# Altium PCB iMX6 Rex_V1I1_PCB.PcbDoc (part 2 of 8) (continued)
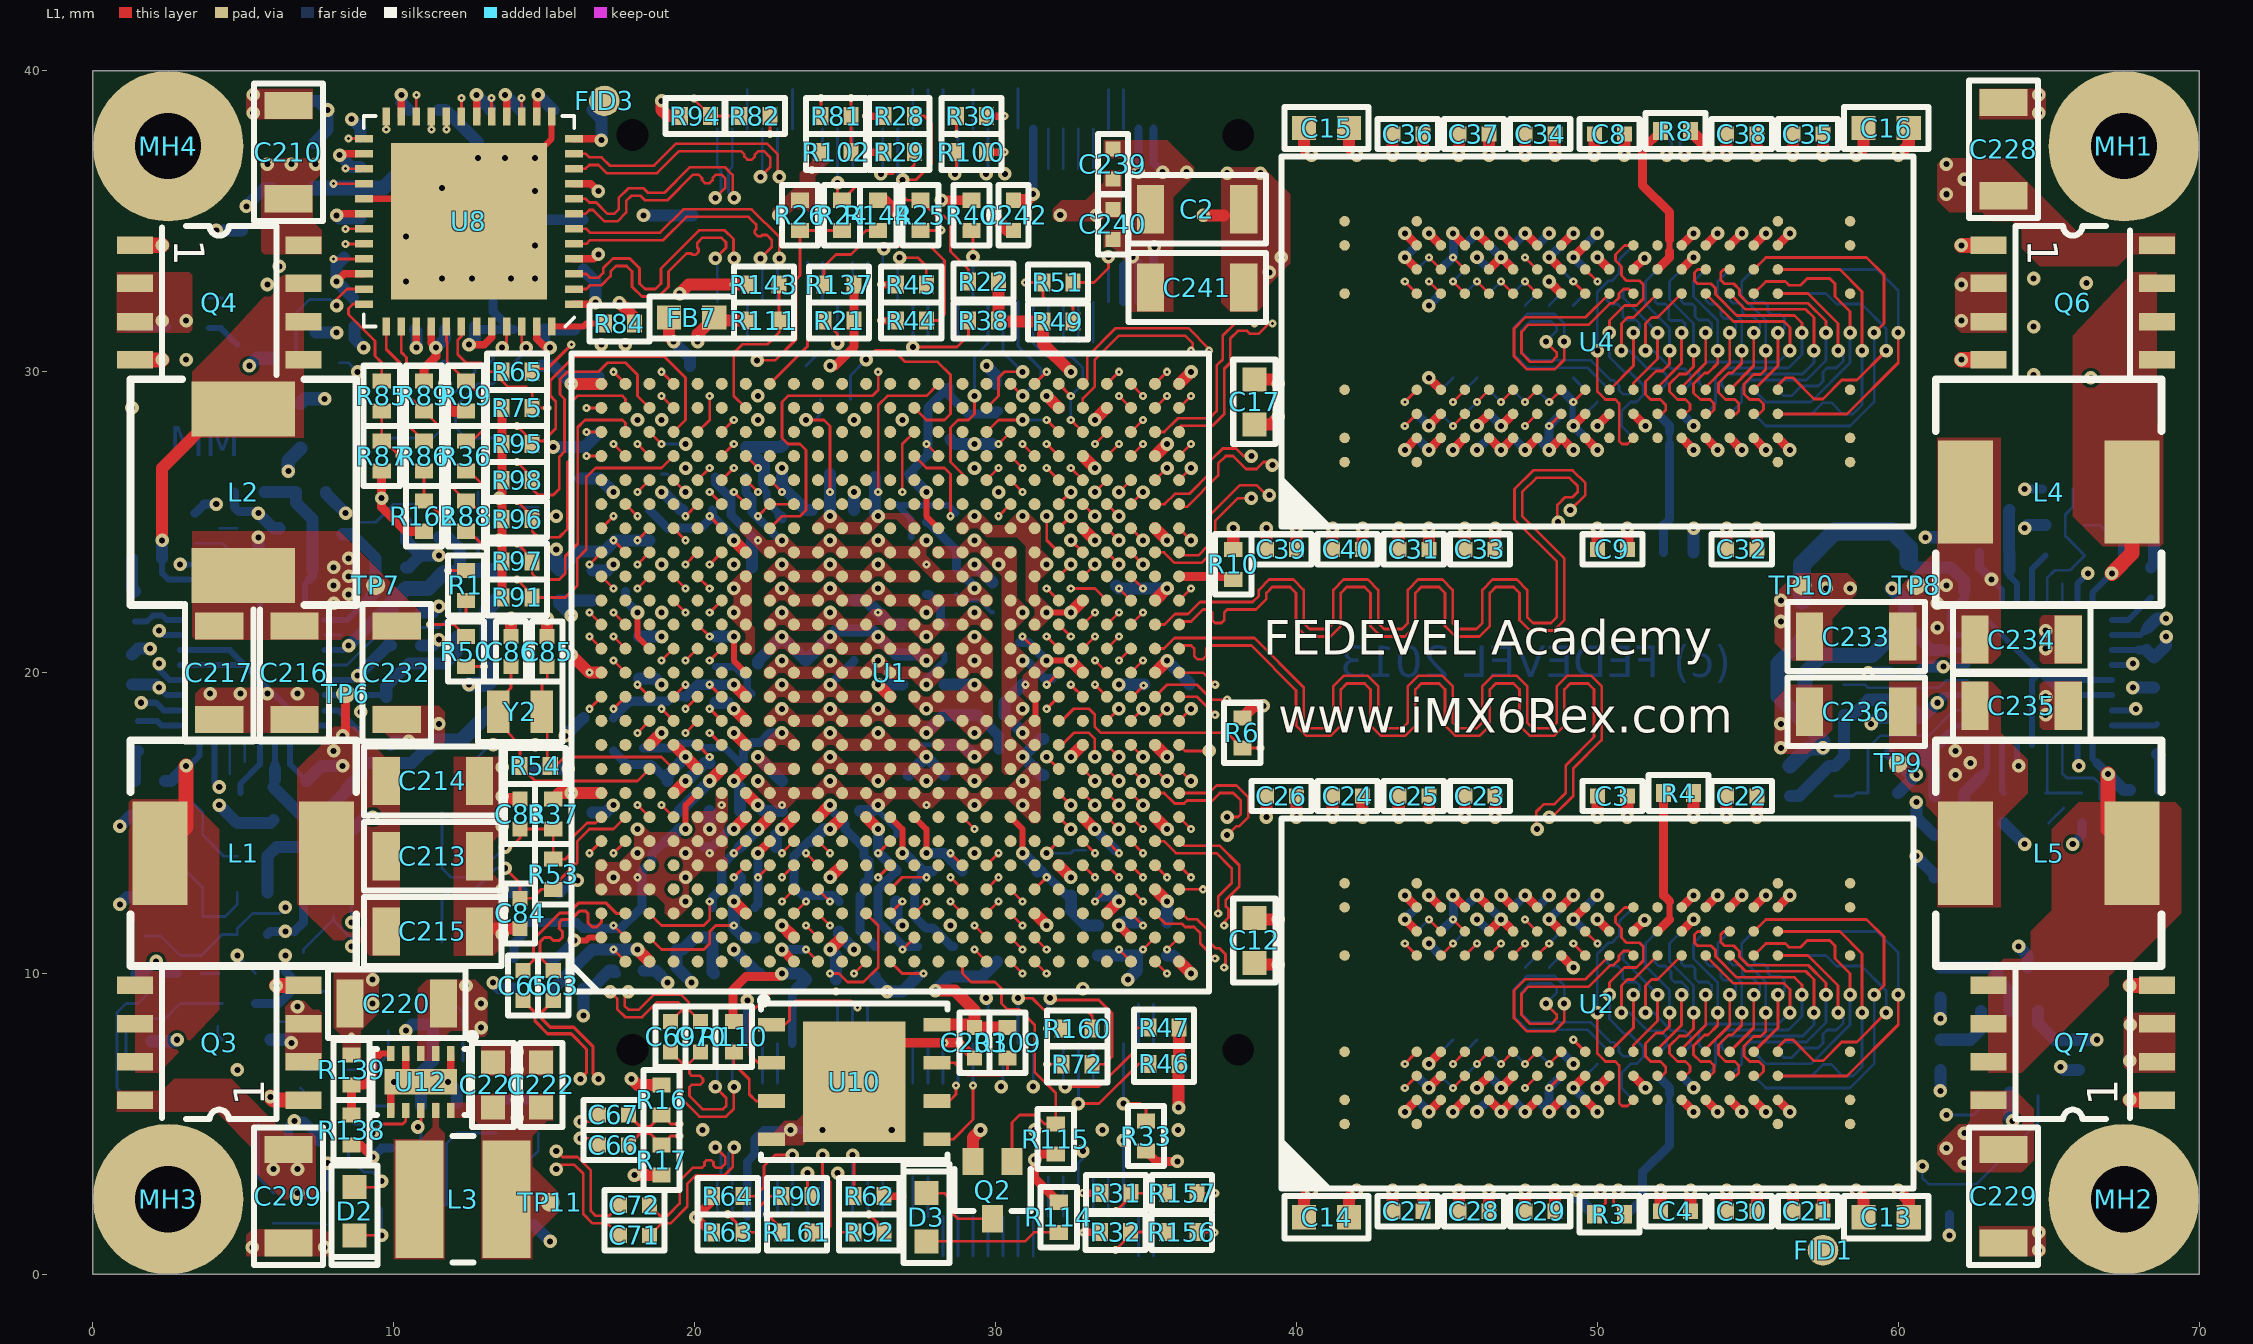
[diagram p0: L1 view]
## Nets (pads, with @x,y where several pads share a name; then routed paths per layer and width w, separated by ;. In a path a pad name is that pad's centre, name@x,y a point inside that pad or via, vN(x,y) a via of type N, cw(c..) or ccw(c..) an arc to the next point about the centre after c; other vN are vias at no path point) (continued)
  L12 w0.2: v1(27.7,19.6) 27.7,19.799 28.3,20.399 C97.1@28.3,20.6
  L12 w0.25: C98.1@20.7,20.2 21.336,20.2 21.75,19.786 21.75,19.45 C103.1@21.9,19.3
  L12 w0.35: C102.1@29.3,18.6 29.407,18.6 30.1,17.907 C106.1@30.1,17.45
  L12 w0.4: C101.1@18.15,19.8 18.7,19.8 v1(18.9,19.6) ; v1(27.7,18) C105.1@28.3,18.6 C102.1@29.3,18.6
  other v1: 22.9,18.8 24.5,18.8 26.1,18.8 22.9,20.4 24.5,20.4 26.1,20.4
+1V5_DDR: C12.1 C13.1 C14.1 C15.1 C16.1 C17.1 C18.1 C19.1 C21.1 C22.1 C23.1 C24.1 C25.1 C26.1 C27.1 C28.1 C29.1 C30.1 C31.1 C32.1 C33.1 C34.1 C35.1 C36.1 C37.1 C38.1 C39.1 C40.1 C41.1 C42.1 C43.1 C44.1 C45.1 C46.1 C47.1 C48.1 C49.1 C50.1 C51.1 C52.1 C53.1 C54.1 C55.1 C56.1 C57.1 C58.1 C59.1 C60.1 C157.1 C158.1 C159.1 C160.1 C161.1 C162.1 C167.1 C168.1 C169.1 C170.1 C171.1 C172.1 C173.1 C235.1 C236.1 L5.2 R11.2 R59.2 TP9.1 U1.R18 U1.T18 U1.U18 U1.V9 U1.V10 U1.V11 U1.V12 U1.V13 U1.V14 U1.V15 U1.V16 U1.V17 U1.V18 U2.A1 U2.A8 U2.B2 U2.C1 U2.C9 U2.D2 U2.D9 U2.E9 U2.F1 U2.G7 U2.H2 U2.H9 U2.K2 U2.K8 U2.N1 U2.N9 U2.R1 U2.R9 U3.A1 U3.A8 U3.B2 U3.C1 U3.C9 U3.D2 U3.D9 U3.E9 U3.F1 U3.G7 U3.H2 U3.H9 U3.K2 U3.K8 U3.N1 U3.N9 U3.R1 U3.R9 U4.A1 U4.A8 U4.B2 U4.C1 U4.C9 U4.D2 U4.D9 U4.E9 U4.F1 U4.G7 U4.H2 U4.H9 U4.K2 U4.K8 U4.N1 U4.N9 U4.R1 U4.R9 U5.A1 U5.A8 U5.B2 U5.C1 U5.C9 U5.D2 U5.D9 U5.E9 U5.F1 U5.G7 U5.H2 U5.H9 U5.K2 U5.K8 U5.N1 U5.N9 U5.R1 U5.R9 U13.30 | length 83
  L1 w0.3: v1(43.6,5.4) U2.A1@44,5.8 ; v1(43.6,11.8) U2.A8@44,11.4 ; v1(43.6,33.8) U4.A8@44,33.4 ; v1@43.625,27.425 U4.A1@44,27.8 ; v1(44.4,6.2) U2.B2@44.8,6.6 ; v1(44.4,28.2) U4.B2@44.8,28.6 ; v1(45.2,5.4) U2.C1@45.6,5.8 ; v1(45.2,12.6) U2.C9@45.6,12.2 ; v1(45.2,27.4) U4.C1@45.6,27.8 ; v1(45.2,34.6) U4.C9@45.6,34.2 ; v1(46,6.2) U2.D2@46.4,6.6 ; v1(46,12.6) U2.D9@46.4,12.2 ; v1(46,28.2) U4.D2@46.4,28.6 ; v1(46,34.6) U4.D9@46.4,34.2 ; v1(46.8,12.6) U2.E9@47.2,12.2 ; v1(46.8,34.6) U4.E9@47.2,34.2 ; v1(47.6,5.4) U2.F1@48,5.8 ; v1(47.6,27.4) U4.F1@48,27.8 ; v1(48.4,33) U4.G7@48.8,32.6 ; U2.G7@48.8,10.6 v1(49.2,10.2) ; v1(49.2,6.2) U2.H2@49.6,6.6 ; v1(49.2,11.8) U2.H9@49.6,12.2 ; v1(49.2,28.2) U4.H2@49.6,28.6 ; v1(49.2,33.8) U4.H9@49.6,34.2 ; U2.K2@51.2,6.6 v1(51.6,6.2) ; U2.K8@51.2,11.4 v1(51.573,11.773) ; U4.K2@51.2,28.6 v1(51.6,28.2) ; U4.K8@51.2,33.4 v1(51.573,33.773) ; U2.N1@53.6,5.8 v1(54,5.4) ; U2.N9@53.6,12.2 v1(54,12.6) ; U4.N1@53.6,27.8 v1(54,27.4) ; U4.N9@53.6,34.2 v1(54,34.6) ; U2.R1@55.2,5.8 v1(55.6,5.4) ; U2.R9@55.2,12.2 v1(55.6,12.6) ; U4.R1@55.2,27.8 v1(55.6,27.4) ; U4.R9@55.2,34.2 v1(55.6,34.6)
  L1 w0.4: C12.1@38.6,11.85 38.65,11.8 v1(39.4,11.8) ; C17.1@38.6,28.25 39.15,28.25 v1(39.4,28.5) ; v1(40,15.2) C26.1@40,15.9 ; C39.1@40,24.1 v1(40,24.8) ; C14.1@41.75,1.9 41.75,2.55 v1(42,2.8) ; C15.1@41.75,38.1 41.75,37.45 v1(42,37.2) ; v1(42.2,15.2) C24.1@42.2,15.9 ; C40.1@42.2,24.1 v1(42.2,24.8) ; C27.1@43.2,2.1 v1(43.2,2.8) ; v1(44.2,37.2) C36.1@44.2,37.9 ; v1(44.4,15.2) C25.1@44.4,15.9 ; C31.1@44.4,24.1 v1(44.4,24.8) ; C28.1@46.4,2.1 v1(46.4,2.8) ; v1(46.4,37.2) C37.1@46.4,37.9 ; v1(46.6,15.2) C23.1@46.6,15.9 ; C33.1@46.6,24.1 v1(46.6,24.8) ; C29.1@48.6,2.1 v1(48.6,2.8) ; v1(48.6,37.2) C34.1@48.6,37.9 ; C30.1@54.3,2.1 v1(54.3,2.8) ; v1(54.3,15.2) C22.1@54.3,15.9 ; C32.1@54.3,24.1 v1(54.3,24.8) ; v1(54.3,37.2) C38.1@54.3,37.9 ; C21.1@56.5,2.1 v1(56.5,2.8) ; v1(56.5,37.2) C35.1@56.5,37.9 ; v1(58.6,2.8) 58.85,2.55 C13.1@58.85,1.9 ; v1(58.6,37.2) 58.85,37.45 C16.1@58.85,38.1
  L12 w0.2: 49.15,29.05 49.175,29.025 49.175,28.225 v1(49.2,28.2) ; U13.30@63.95,17.6 63.95,16.95 v1(64,16.9)
  L12 w0.3: v1(30.9,20.4) 31.028,20.4 31.628,19.8 C170.1@31.9,19.8 ; v1(34.1,19.6) C172.1@34.95,19.6 ; v1(43.6,11.8) U3.A1@44,12.2 ; v1(43.6,33.8) U5.A1@44,34.2 ; U3.A8@44,6.6 v1(44.4,6.2) ; U5.A8@44,28.6 v1(44.4,28.2) ; U3.B2@44.8,11.4 45.225,11.825 v1@45.225,12.575 ; U5.B2@44.8,33.4 45.225,33.825 45.225,34.575 v1(45.2,34.6) ; v1(45.2,5.4) U3.C9@45.6,5.8 ; v1(45.2,27.4) U5.C9@45.6,27.8 ; U3.C1@45.6,12.2 v1(46,12.6) ; U5.C1@45.6,34.2 v1(46,34.6) ; v1(46,5.4) U3.D9@46.4,5.8 ; v1(46,11.8) U3.D2@46.4,11.4 ; v1(46,27.4) U5.D9@46.4,27.8 ; v1(46,33.8) U5.D2@46.4,33.4 ; U3.E9@47.2,5.8 v1(47.6,5.4) ; U5.E9@47.2,27.8 v1(47.6,27.4) ; U3.F1@48,12.2 v1(48.4,12.6) ; U5.F1@48,34.2 v1(48.4,34.6) ; U5.G7@48.8,29.4 49.15,29.05 ; U3.G7@48.8,7.4 v1(49.2,7) ; v1(49.2,6.2) U3.H9@49.6,5.8 ; v1(49.2,11.8) U3.H2@49.6,11.4 ; v1(49.2,28.2) U5.H9@49.6,27.8 ; v1(49.2,33.8) U5.H2@49.6,33.4 ; U3.K8@51.2,6.6 v1(51.6,6.2) ; U3.K2@51.2,11.4 v1(51.573,11.773) ; U5.K8@51.2,28.6 v1(51.6,28.2) ; U5.K2@51.2,33.4 v1(51.573,33.773) ; U3.N9@53.6,5.8 v1(54,5.4) ; U3.N1@53.6,12.2 v1(54,12.6) ; U5.N9@53.6,27.8 v1(54,27.4) ; U5.N1@53.6,34.2 v1(54,34.6) ; U3.R9@55.2,5.8 v1(55.6,5.4) ; U3.R1@55.2,12.2 v1(55.6,12.6) ; U5.R9@55.2,27.8 v1(55.6,27.4) ; U5.R1@55.2,34.2 v1(55.6,34.6)
  L12 w0.4: C158.1@31.6,16.6 31.5,16.6 v1(30.9,17.2) 31.5,17.8 C162.1@31.6,17.8 ; v1(34.1,19.6) C172.1@34.95,19.6 ; v1(40,15.2) C46.1@40,15.9 ; C60.1@40,24.1 v1(40,24.8) ; v1(42.2,15.2) C43.1@42.2,15.9 ; C51.1@42.2,24.1 v1(42.2,24.8) ; C47.1@43.2,2.1 v1(43.2,2.8) ; v1(44.2,37.2) C57.1@44.2,37.9 ; v1(44.4,15.2) C45.1@44.4,15.9 ; C53.1@44.4,24.1 v1(44.4,24.8) ; C49.1@46.4,2.1 v1(46.4,2.8) ; v1(46.4,37.2) C56.1@46.4,37.9 ; v1(46.6,15.2) C44.1@46.6,15.9 ; C52.1@46.6,24.1 v1(46.6,24.8) ; C48.1@48.6,2.1 v1(48.6,2.8) ; v1(48.6,37.2) C59.1@48.6,37.9 ; C50.1@54.3,2.1 v1(54.3,2.8) ; v1(54.3,15.2) C42.1@54.3,15.9 ; C54.1@54.3,24.1 v1(54.3,24.8) ; v1(54.3,37.2) C58.1@54.3,37.9 ; C41.1@56.5,2.1 v1(56.5,2.8) ; v1(56.5,37.2) C55.1@56.5,37.9 ; v1(61.4,8.5) R59.2@61.4,9.2
  other v1: 61.9,16.6 62.4,17 61.9,17.4 30.9,18.8 30.9,22 30.1,23.6 29.3,24.4 30.1,26 43.6,27.4 66.25,32.95 64.5,33.1
+1V375: C90.1 C91.1 C92.1 C93.1 C94.1 C95.1 C96.1 C107.1 C108.1 C109.1 C110.1 C111.1 C216.1 C217.1 C232.1 FB2.2 FB8.2 L2.2 R77.1 TP7.1 U1.H14 U1.J14 U1.K9 U1.K14 U1.L9 U1.L14 U1.M9 U1.M14 U1.N9 U1.N14 U1.P9 U1.P14 U1.R9 U1.R14 U1.T9 U1.U9 U11.30 | length 15.1
  L3 w0.4: v1(5.5,24.5) 7.1,22.9 v1(8,22.9)
  L12 w0.2: 5.9,23.1 6.05,22.95 U11.30@6.05,22.4
  L12 w0.3: 5.5,23.6 5.5,23.5 5.9,23.1
  L12 w0.4: 5.5,23.6 v1(5.5,24.5) ; v1(13.3,9.7) 13.5,9.5 R77.1@14,9.5 ; C111.1@18.15,21.2 v1(18.9,21.2) ; C92.1@22.1,20.3 22.1,20.376 22.9,21.176 v1(22.9,21.2) C93.1@23.7,20.4 v1(24.5,21.2) 24.7,21.4 C94.1@25.3,21.4 25.9,21.4 v1(26.1,21.2) 26.7,20.6 C95.1@26.9,20.6 27.5,20.6 v1(27.7,20.4)
  L12 w0.45: v1(5.2,30.2) 5.45,30.45 FB8.2@6,30.45
  other v1: 26.1,16.4 27.7,16.4 29.3,16.4 24.5,17.2 8,22.3 8.5,22.6 8.5,23.2 8,23.5 8.5,23.8 16.9,30.9 17.7,30.9
+1V375_VDDSOC_IN: C119.1 C120.1 C121.1 C122.1 C123.1 C124.1 C125.1 C126.1 C127.1 C128.1 C129.1 FB2.1 U1.H16 U1.J16 U1.K16 U1.L16 U1.M16 U1.N16 U1.P16 U1.R16 U1.T16 U1.U16 | length 7.7
  L12 w0.3: C125.1@20.7,26.5 20.7,26.3 21.2,25.8 21.2,25.246 21.9,24.546 C122.1@21.9,24.4 ; C119.1@27.7,25 27.772,25 28.7,24.072 C121.1@28.7,23.6 28.7,23.454 29.3,22.854 v1(29.3,22.8)
  L12 w0.4: C128.1@16.2,26.45 16.85,26.45 v1(17.3,26) ; C126.1@21.9,23.5 C122.1@21.9,24.4
  other v1: 27.7,22 22.9,22.8 24.5,22.8 26.1,22.8 29.3,26.8 18.1,28.4 18.9,28.4
+2V5: C153.1 C233.1 C234.1 C244.1 C245.1 C247.1 FB6.1 L4.1 R14.1 R19.1 R27.1 R34.1 R74.2 R78.2 R80.2 R147.2 TP8.1 U13.10 | length 14.9
  L12 w0.2: v1(63.1,23.1) 63.45,22.75 U13.10@63.45,22.4
  L12 w0.3: R14.1@17.3,10 R14.1@17.4,10 ; R147.2@62.7,24 62.7,23.5 v1(63.1,23.1)
  L12 w0.4: v1(15.4,24.1) 15.4,23.5 C247.1@15.5,23.4 16.121,24.021 16.979,24.021 17.358,24.4 C153.1@17.4,24.4 R80.2@18.5,24.4 ; v1(15.7,17.9) R19.1@16.3,18.5 ; v1(16.3,8.6) C244.1@16.3,9.5 16.558,9.5 17.158,10.1 R14.1@17.3,10.1 ; R78.2@26,9.9 26,9.8 v1(26.4,9.4) 26.9,9.4 R27.1@27.4,9.9 ; v1(29.7,30.2) 30,29.9 R74.2@30,29.6 ; R34.1@33.4,10.6 C245.1@34.7,10.6 34.7,10.1 v1(34.4,9.8)
  L12 w0.45: v1(6.5,26.7) 6.5,27.05 FB6.1@6.9,27.45
  other v1: 61.3,21.5 61.3,22.3 61.6,22.9
+2V5_ETH_DVDDH: C194.1 C195.1 C196.1 C197.1 C198.1 FB6.2 R75.2 R87.2 R89.2 R91.2 R94.2 R95.2 R96.2 R97.2 R98.2 R162.2 U8.16 U8.34 U8.40 | length 18.9
  L1 w0.25: v1(8.1,33) 8.35,33.25 U8.34@9.01,33.25 ; U8.40@11.25,31.51 11.25,30.95 v1(11.4,30.8) ; v1(13.7,39.2) 13.75,39.15 U8.16@13.75,38.49
  L1 w0.3: R87.2@9.6,26.7 v1(9.6,25.8) 9.6,25.5 10.4,24.7 R162.2@11,24.7 ; R89.2@11,29.7 11,30.1 11.4,30.5 v1(11.4,30.8) ; v1(13.5,24.4) 13.6,24.5 R96.2@13.6,25 ; R91.2@13.6,22.5 R97.2@13.6,23.7 v1@13.6,24.4 ; R96.2@13.6,25.1 R75.2@13.6,28.9
  L1 w0.4: v1(18.9,39) 18.9,38.7 19.1,38.5 R94.2@19.525,38.5
  L12 w0.4: C194.1@8.35,33.8 8.1,33.55 v1(8.1,33) C197.1@8.65,32.45 ; C195.1@8.7,31.5 8.7,31.1 v1(9,30.8) ; v1(11.4,30.8) 11.7,31.1 C198.1@11.7,31.4 ; v1(13.7,39.2) C196.1@14.2,38.7
  L12 w0.45: FB6.2@6.9,28.95 7.05,29.1 v1(7.7,29.1)
  other v1: 13.5,25.8
+2V5_VDDHIGH_VPH: C139.2 C140.1 C141.1 U1.H10 U1.J10 | length 6.7
  L12 w0.25: 19.328,17.5 19.478,17.65 19.922,17.65 20.072,17.5 21,17.5 C139.2@21.5,17
  L12 w0.3: C141.1@14.7,16.85 C141.1@14.75,16.8 ; C140.1@18.3,17.5 19.328,17.5 ; C139.2@21.5,17 21.625,17.125 21.625,17.397 21.903,17.675 22.175,17.675 22.5,18 v1(22.9,18)
  L12 w0.4: C141.1@14.7,16.75 14.75,16.8 v1(15.8,16.8)
+3V0_ALWAYS: C87.1 C136.1 C137.1 C142.1 C221.1 C222.1 L3.2 R48.2 R55.2 R60.2 R73.2 R103.2 R104.2 R106.2 R130.2 R138.2 R153.2 R154.2 R165.2 TP11.1 U1.G11 U1.H9 U1.J9 U6.6 U12.10 | length 16.6
  L1 w0.3: R138.2@8.6,4.3 8.9,4.3 v1(9.3,3.9)
  L1 w0.4: v1(21.3,18.8) U1.G11@21.7,18.4
  L1 w0.7: L3.2@13.75,2.5 L3.2@13.85,2.4
  L12 w0.3: R130.2@3.4,25.3 3.7,25.6 v1(4.1,25.6) ; R48.2@5.4,9 6.172,9 6.575,9.403 6.575,9.9 6.4,10.075 v1(6.4,10.6) ; R73.2@5.8,11.3 5.9,11.4 v1(6.4,11.4) 6.7,11.4 7,11.7 R103.2@7,11.9 R55.2@7,13.1 ; v1(9.3,3.9) 9.6,4.2 R106.2@9.9,4.2 ; R104.2@13.4,5.7 13.5,5.8 v1(14.1,5.8) 14.7,5.8 R165.2@14.8,5.7 ; v1(61.7,1.3) R60.2@61.7,2 ; v1(64.2,26.1) R153.2@64.8,26.1 ; v1(65.8,14.3) 66.1,14.6 R154.2@66.1,15
  L12 w0.4: C137.1@14.7,18.75 C137.1@14.8,18.85 ; C142.1@20.7,19 21.1,19 v1(21.3,18.8) ; v1(22.1,17.2) C136.1@22.9,16.4 ; U6.6@64.65,8.75 64.65,8.35 65.2,7.8 C87.1@66,7.8 v1(66.6,7.8)
  other v1: 14.1,5.2 14.7,17.6
+3V3: C1.1 C89.1 C144.1 C146.1 C147.1 C148.1 C154.1 C163.1 C164.1 C165.1 C166.1 C174.1 C177.1 C203.1 C213.1 C214.1 C215.1 FB7.1 J2.50 L1.1 R21.2 R22.2 R28.2 R29.2 R31.2 R32.2 R33.2 R38.2 R39.2 R40.2 R41.2 R42.2 R43.2 R44.2 R45.2 R46.2 R47.2 R49.2 R62.2 R63.2 R64.2 R68.2 R69.2 R76.2 R100.2 R109.1 R110.2 R111.2 R113.2 R114.2 R115.2 R123.2 R129.2 R137.2 TP6.1 U1.G14 U1.G15 U1.G16 U1.G17 U1.J7 U1.K19 U1.L19 U1.M19 U1.P7 U1.P19 U7.5 U9.1 U10.8 U11.10 | length 67
  L1 w0.2: U1.P7@27.3,15.2 27.7,14.8 v1(27.7,14)
  L1 w0.25: v2(25.7,37.3) R29.2@26.3,37.3 ; v2(25.7,38.5) R28.2@26.3,38.5 ; v2(26.2,31.7) R44.2@26.7,31.7 ; v2(26.2,32.9) R45.2@26.7,32.9 ; R62.2@26.3,2.6 v2(26.9,2.6) ; R100.2@29.7,37.3 v2(30.3,37.3) ; R39.2@29.7,38.5 v2(30.3,38.5) ; v2@32.895,2.7 R31.2@33.5,2.7 ; v2@32.908,1.408 R32.2@33.487,1.408
  L1 w0.3: v1(8.3,17.9) 8.4,18 TP6.1@8.4,19.3 ; R63.2@20.6,1.4 20.538,1.4 v1(20.038,1.9) 20.6,2.462 R64.2@20.6,2.6 ; R110.2@21.3,8.4 21.275,8.425 21.275,9.475 21.7,9.9 v1@22.8,9.9 ; v1(24.5,30.2) 24.667,30.2 25.3,30.833 R21.2@25.3,31.7 R137.2@25.3,32.9 ; v1(28.2,35.705) 28.205,35.7 R40.2@29.2,35.7 ; R115.2@32,4 31.482,4 v1(31.3,3.818) 31.3,3.2 R114.2@32.1,2.4 ; R33.2@35,4.1 35.342,3.758 v1(36.043,3.758)
  L1 w0.4: v1(20.1,31) 20.1,31.25 FB7.1@20.65,31.8 20.75,31.7 R111.2@21.8,31.7 ; v1(22.9,14.8) U1.J7@23.3,15.2 ; v1(28,9.43) 28.65,9.43 29.3,8.78 C203.1@29.3,8.2 R109.1@30.4,8.2 ; U10.8@28.05,8.305 C203.1@29.195,8.305 ; R22.2@30.1,33 R38.2@30.1,31.7 30.13,31.67 R49.2@31.575,31.67 31.575,30.925 v1(32.5,30) ; v1(36.087,5.543) 36.087,6.987 R46.2@36.1,7 R47.2@36.1,8.2
  L2 w0.25: v3(25.4,37.6) v2(25.7,37.3) ; v3(25.7,38.1) v2(25.7,38.5) ; v2(26.2,31.7) v3(26.5,32) ; v2(26.2,32.9) v3(26.5,32.6) ; v3(26.6,2.3) v2(26.9,2.6) ; v2(30.3,37.3) v3(30.6,37.6) ; v3(30.3,38.1) v2(30.3,38.5) ; v3(32.888,2.307) v2(32.888,2.707) ; v2(32.9,1.4) v3(33.2,1.7)
  L3 w0.2: v4@29.875,37.95 v4@29.9,37.925
  L3 w0.25: v3(25.4,37.6) 25.3,37.7 v4(25.3,38) 25.4,38.1 v3(25.7,38.1) ; v3(26.5,32) 26.3,32 v4(26,32.3) 26.3,32.6 v3(26.5,32.6) ; v3(26.6,2.3) 27,2.3 v4(27.1,2.4) ; v3(30.3,38.1) 30.075,38.1 29.9,37.925 v4(29.875,37.9) 29.889,37.9 30.189,37.6 v3(30.6,37.6) ; v3(32.888,2.307) 33.31,2.307 33.6,2.017 v4(33.6,1.817) 33.482,1.7 v3(33.2,1.7)
  L12 w0.2: U11.10@6.55,17.6 6.55,16.95 R123.2@7,16.5 ; R123.2@7,16.4 R123.2@7,16.5 ; R123.2@7.1,16.4 R123.2@7,16.5
  L12 w0.28: J2.50@23.25,7.67 23.25,9.35 23.4,9.5
  L12 w0.3: R68.2@1.4,10 1.7,10 v1(2.1,10.4) 2.5,10 R69.2@2.8,10 ; R129.2@6.5,4.4 6.5,4.9 v1(6.7,5.1) 7,5.1 7.5,4.6 R113.2@7.5,4.4
  L12 w0.35: v1(27.7,14) 28.3,14 C163.1@28.9,13.4
  L12 w0.4: R123.2@7.1,16.4 7.6,16.9 v1(8.3,16.9) ; v1(10.4,8.1) 10.6,8.3 R43.2@11.3,8.3 R42.2@11.3,7.1 10.9,6.7 R41.2@10.9,5.6 ; v1(15.3,27.5) 16.35,27.5 C148.1@16.8,27.95 ; C174.1@22.7,14.2 22.7,14.6 v1(22.9,14.8) ; v1(22.9,10) 23.5,10 C1.1@23.7,9.8 23.4,9.5 ; v1(24.5,25.2) 24.5,26.6 ; C144.1@26,26.5 26,25.3 v1(26.1,25.2) ; v1(28,9.43) 28.47,9.9 R76.2@28.6,9.9 29.55,9.9 C147.1@30.05,10.4
  other v1: 4.8,6.8 8,17.4 21.3,22 21.3,22.8 1.3,28.8
+3V3_ETH_AVDDH: C190.1 C199.1 C200.1 C201.1 C202.1 FB7.2 U8.1 U8.12 U8.47 | length 8.8
  L1 w0.2: FB7.2@19.05,31.8 FB7.2@19.15,31.7
  L1 w0.25: U8.47@14.75,31.51 14.75,31.101 15.051,30.8 v1(15.2,30.8) ; U8.1@15.99,32.25 16.65,32.25 v1(16.7,32.3) ; U8.12@15.99,37.75 v1@16.95,37.75
  L1 w0.4: FB7.2@19.15,31.8 19.15,31.7 19.15,31.15 v1(19.3,31)
  L12 w0.4: v1(15.2,30.8) 15,31 C202.1@15,31.4 C190.1@16,31.4 ; C200.1@16.3,33.4 16.7,33 v1(16.7,32.3) ; 16.6,38.7 16.9,38.4 v1(16.9,37.7) ; v1(19.3,31) 19.85,30.45 C199.1@19.85,30.2
+5V_LDO1: C204.1 C205.1 R116.2 R131.2 R132.2 U11.7 | length 13.7
  L12 w0.2: U11.7@7.7,18.75 8.15,18.75 8.9,18 C205.1@8.9,17.6
  L12 w0.4: R131.2@5.8,12.7 R132.2@5.8,13.9 6.1,14.2 7.3,14.2 7.6,14.5 7.6,15.25 C204.1@8.5,16.15 ; 8.975,17 10.6,17 11.1,17.5
  L12 w0.5: C204.1@8.5,16.15 8.9,16.55 C205.1@8.9,17.6 ; 11.1,17.5 11.325,17.725 12.225,17.725 R116.2@13.2,18.7
+5V_LDO2: C223.1 C224.1 R140.2 U13.7 | length 10.4
  L12 w0.2: 62.025,22.3 61.725,22 61.725,21.475 61.95,21.25 U13.7@62.3,21.25
  L12 w0.3: 62.025,22.3 62.2,22.475 62.2,22.7
  L12 w0.4: C223.1@60.35,23.7 60.55,23.5 C224.1@61.6,23.5 61.742,23.5 62.2,23.042 62.2,22.7
  L12 w0.6: R140.2@56.8,22.4 56.8,23.6 57.9,24.7 59.8,24.7 60.35,24.15 C223.1@60.35,23.7
+5V_PVCC1: C206.1 R116.1 R117.2 R118.1 U11.19 | length 16.1
  L3 w0.5: v1(2.2,19.5) 3.187,19.5 3.562,19.875 7.85,19.875 8.4,19.325 10.2,19.325 10.475,19.6 v1(12.5,19.6)
  L12 w0.2: v1(2.2,19.5) 2.45,19.25 U11.19@2.9,19.25
  L12 w0.4: C206.1@1.3,19.6 2.1,19.6 v1(2.2,19.5)
  L12 w0.5: v1(12.5,19.6) 13.1,19.6 R116.1@13.2,19.7 13.1,19.8 R117.2@13.1,21.2 13.1,22.1 R118.1@13.4,22.4
+5V_PVCC2: C225.1 R140.1 R141.2 R142.1 U13.19 | length 21.8
  L3 w0.5: v1(57.5,17.5) 59.7,17.5 60.4,18.2 60.4,19 61,19.6 64.163,19.6 64.538,19.975 65.875,19.975 67.1,21.2 v1(68.9,21.2)
  L12 w0.2: R140.1@56.85,21.05 R140.1@56.9,21.1 ; U13.19@67.1,20.75 68,20.75
  L12 w0.3: 68,20.75 68.25,20.75
  L12 w0.4: 68.25,20.75 C225.1@68.5,20.5 68.9,20.9 v1(68.9,21.2)
  L12 w0.5: R142.1@56.4,16.9 57,17.5 v1(57.5,17.5) 57.5,17.713 56,19.213 56,20.3 56.8,21.1 R140.1@56.8,21.2
+5V_USB_VBUS: C79.1 C82.1 C242.1 J1.18 U1.D10 U1.E9 | length 7.4
  L1 w0.4: U1.D10@19.3,17.6 v1(19.7,17.2) U1.E9@20.1,16.8 ; C242.1@30.6,35.7 31.045,35.7 v1(31.25,35.905)
  L12 w0.2: v1@31.25,35.805 v1(31.25,35.905)
  L12 w0.28: v1(31.25,35.905) J1.18@31.25,38.07
  L12 w0.3: C82.1@17.3,17.4 17.75,16.95 18.55,16.95 C79.1@19.1,16.4
  L12 w0.4: C79.1@19.1,16.4 19.1,16.6 v1(19.7,17.2)
+5V_VCC1: C207.1 R118.2 R127.2 R128.2 U11.3 U11.20 | length 16.5
  L3 w0.5: v1(2.2,20.3) v1@2.207,20.3 ; v1@2.213,20.3 2.7,20.3 3.8,21.4 8,21.4 8.4,21 v1(8.5,20.9)
  L12 w0.2: v1(2.2,20.3) 2.2,20.101 2.551,19.75 U11.20@2.9,19.75 ; U11.3@7.7,20.75 8.35,20.75 v1(8.5,20.9)
  L12 w0.4: v1(8.5,20.9) 9.6,22 C207.1@9.9,22 ; R128.2@11.5,24.5 11.8,24.5 12.2,24.1 R127.2@12.2,23.4
  L12 w0.5: C207.1@9.9,22 9.9,22.3 10.4,22.8 11.142,22.8 11.667,23.325 12.125,23.325 R127.2@12.2,23.4 R118.2@13.4,23.4
+5V_VCC2: C226.1 R142.2 R151.2 R152.2 U13.3 U13.20 | length 17.2
  L3 w0.5: v1(61.3,19) 62.3,18 65.487,18 v1@67.793,20.307
  L12 w0.2: 61.5,19.2 61.55,19.25 U13.3@62.3,19.25 ; U13.20@67.1,20.25 v1@67.75,20.25
  L12 w0.3: v1(61.3,19) 61.5,19.2
  L12 w0.4: R142.2@56.4,15.9 56.7,15.9 57.7,16.9 R152.2@57.9,16.9 58.2,17.2 R151.2@58.2,18.6 58.5,18.6 59,19.1 60.2,19.1 60.7,18.6 C226.1@60.7,18.5 60.8,18.5 v1(61.3,19)
  other v1: 67.8,20.3
+DDR_VREF: C3.1 C4.1 C5.1 C6.1 C7.1 C8.1 C9.1 C10.1 C11.1 C18.2 C20.1 R11.1 R12.2 U1.AC2 U2.H1 U2.M8 U3.H1 U3.M8 U4.H1 U4.M8 U5.H1 U5.M8 | length 168.6
  L1 w0.3: v1(34.1,11.6) U1.AC2@34.5,11.2 ; U2.H1@49.6,5.8 v1(50,5.4) ; U4.H1@49.6,27.8 v1(50,27.4) ; U2.M8@52.8,11.4 v1(53.2,11.8) ; U4.M8@52.8,33.4 v1(53.2,33.8)
  L1 w0.4: v1(50.9,37.2) C8.1@50.9,37.9 ; v1(51,15.2) C3.1@51,15.9 ; C9.1@51,24.1 v1(51,24.8) ; C4.1@53.1,2.1 v1(53.1,2.8)
  L5 (PWR) w0.5: 40.6,14.5 40.6,16.1
  L5 (PWR) w0.6: v1(53.1,2.8) 53.4,3.1
  L5 (PWR) w0.8: v1(34.1,11.6) 38,11.6 40.6,14.2 40.6,14.5 ; 40.6,16.1 40.6,19.8 44,23.2 56.2,23.2 62.825,29.825 62.825,30.325 63.3,30.8 ; v1(50,5.4) 51.3,5.4 52.475,4.225 ; v1(50,12.6) 51,13.6 51,13.775 ; v1(50,27.4) 50.6,26.8 50.6,26.2 ; v1(50,34.6) 50,35.85 50.2,36.05 ; v1@51,24.95 50.6,25.35 50.6,26.2 ; v1@51.1,24.9 52.1,24.9 52.725,25.525 55.825,25.525 61.3,31 61.6,31 ; v1@53.1,3 52.475,3.625 52.475,4.225 ; v1(53.2,6.2) 52.975,6.2 52.475,5.7 52.475,4.225 ; v1(53.2,11.8) 52.975,11.8 51,13.775 ; v1(53.2,28.2) 52.625,28.2 50.625,26.2 50.6,26.2 ; v1(53.2,33.8) 52.975,33.8 51.825,34.95 51.05,34.95 50.2,35.8 50.2,36.05 ; 53.4,3.1 54.4,4.1 58.1,4.1 62.3,8.3 62.3,10.7 64.925,13.325 64.925,17.125 65.7,17.9 65.7,22.275 63.475,24.5 63.475,26.625 65.225,28.375 65.225,29.8 ; 61.6,32.3 60.7,32.3 56.7,36.3 51.8,36.3 v1(50.9,37.2) 50.625,36.925 50.625,36.475 50.2,36.05 ; 63.6,29.9 63.6,28.6 62.325,27.325 62.325,21.3 63.2,20.425 63.2,16 62,14.8 58.9,14.8 57.5,16.2 52,16.2 v1(51,15.2) 51,13.775
  L12 w0.3: U3.H1@49.6,12.2 v1(50,12.6) ; U5.H1@49.6,34.2 v1(50,34.6) ; U3.M8@52.8,6.6 v1(53.2,6.2) ; U5.M8@52.8,28.6 v1(53.2,28.2)
  L12 w0.4: v1(34.1,11.6) 34.2,11.7 C7.1@34.7,11.7 ; v1(50.9,37.2) C10.1@50.9,37.9 ; v1(51,15.2) C5.1@51,15.9 ; C11.1@51,24.1 v1(51,24.8) ; C6.1@53.1,2.1 v1(53.1,2.8)
  other v1: 64.5,31.5
+HDMI_VP: C75.1 R23.2 U1.L7 | length 4.8
  L1 w0.4: v1(24.5,14.8) U1.L7@24.9,15.2
  L12 w0.3: C75.1@23.9,14.4 23.8,14.4 23.3,13.9 23.3,12.9 23.6,12.6 24.6,12.6 R23.2@24.8,12.4
  L12 w0.4: C75.1@23.9,14.4 24.3,14.8 v1(24.5,14.8)
+HDMI_VPH: C76.1 R27.2 U1.M7 | length 5.8
  L1 w0.4: U1.M7@25.7,15.2 v1(26.1,14.8)
  L12 w0.3: C76.1@26.7,13.4 26.1,12.8 26.1,11.728 26.928,10.9 R27.2@27.4,10.9
  L12 w0.35: v1(26.1,14.8) 26.1,14.026 26.7,13.426 C76.1@26.7,13.4
+LVDS_2V5: C77.1 C243.1 R34.2 U1.V7 | length 5.2
  L1 w0.2: U1.V7@30.5,15.2 30.9,14.8 v1(30.9,14)
  L12 w0.3: C77.1@31.4,13.4 31.558,13.4 32.358,12.6 C243.1@32.5,12.6
  L12 w0.4: v1(30.9,14) 31.4,13.5 C77.1@31.4,13.4 ; C243.1@32.5,12.6 32.5,12.1 33,11.6 R34.2@33.4,11.6
+NVCC_CSI: C145.1 R76.1 U1.N7 | length 5.9
  L1 w0.2: U1.N7@26.5,15.2 26.9,14.8 v1@26.9,14.05
  L12 w0.3: C145.1@27.7,13.4 27.3,13 27.3,11.9 27.686,11.514 27.914,11.514 28.528,10.9 R76.1@28.6,10.9
  L12 w0.35: v1(26.9,14) 26.989,14 27.589,13.4 27.7,13.4 C145.1@27.9,13.4
+NVCC_ENET: C155.1 C156.1 R74.1 U1.R19 | length 8.1
  L1 w0.2: v1@27.7,26.1 v1(27.7,26) 27.7,25.2 U1.R19@28.1,24.8
  L12 w0.3: C155.1@27.2,26.5 27.1,26.6 27.75,27.25 27.75,28.8 C156.1@28.35,29.4 ; C156.1@28.45,29.5 28.45,29.234 29.084,28.6 R74.1@29.876,28.6 ; R74.1@30,28.6 R74.1@29.876,28.6 ; R74.1@30.1,28.7 29.976,28.7 R74.1@29.876,28.6
  L12 w0.4: C155.1@27.2,26.6 27.2,26.5 v1(27.7,26)
+NVCC_MIPI: C149.1 R78.1 U1.K7 | length 6.1
  L1 w0.4: U1.K7@24.1,15.2 v1(24.5,15.6)
  L12 w0.3: v1(24.5,15.6) 24.5,15.472 25,14.972 25,14.8 25.1,14.7 25.625,14.175 25.625,13.9 25.8,13.725 25.8,13.175 25.625,13 25.625,12.7 25.5,12.575 25.5,11.4 R78.1@26,10.9
+NVCC_RGMII: C152.1 R80.1 U1.G18 | length 4.4
  L1 w0.4: v1(21.3,24.4) U1.G18@21.7,24
  L12 w0.3: R80.1@18.5,25.4 19.1,24.8 20.2,24.8 C152.1@20.6,25.2 ; C152.1@20.6,25.4 C152.1@20.6,25.2 ; v1(21.3,24.4) 21.3,24.5 C152.1@20.6,25.2
+PCIE_VP: C61.1 R13.2 U1.H7 | length 3.8
  L1 w0.4: v1(22.1,14.8) U1.H7@22.5,15.2
  L12 w0.3: R13.2@20.6,12.2 20.6,12.536 20.9,12.836 20.9,13.6 C61.1@21.5,14.2
  L12 w0.4: C61.1@21.5,14.2 v1(22.1,14.8)
+PCIE_VPH: C64.1 R14.2 U1.G7 | length 2.8
  L1 w0.4: v1(21.3,14.8) U1.G7@21.7,15.2
  L12 w0.3: C64.1@20.3,14.2 20.572,14.2 21.172,14.8 v1(21.3,14.8)
  L12 w0.4: R14.2@18.3,10.1 18.7,10.1 v1(19.1,9.7)
+PCIE_VPTX: C62.1 FB1.2 U1.G8 | length 2.6
  L1 w0.4: U1.G8@21.7,16 v1(22.1,15.6)
  L12 w0.4: v1(21.3,10.8) 22.1,10 FB1.2@22.15,10 ; v1(22.1,15.6) 22.3,15.4 C62.1@22.9,15.4
+SATA_VP: C68.1 R18.2 U1.G13 | length 2.7
  L1 w0.2: v1(21.3,21.2) 21.3,20.4 U1.G13@21.7,20
  L12 w0.4: R18.2@16.6,23.4 17.1,23.4 v1(17.3,23.6) ; C68.1@20.7,21.2 v1(21.3,21.2)
+SATA_VPH: C73.1 R19.2 U1.G12 | length 5
  L1 w0.4: v1(21.3,19.6) U1.G12@21.7,19.2
  L12 w0.3: R19.2@17.3,18.5 17.85,19.05 19.1,19.05 19.25,19.2 C73.1@19.7,19.2
  L12 w0.35: C73.1@19.7,19.2 20.1,19.6 v1(21.3,19.6)
+VDD_SNVS_CAP: C143.1 U1.G9 | length 1.6
  L1 w0.4: v1(21.3,16.4) U1.G9@21.7,16.8
  L12 w0.4: v1(21.3,16.4) 21.5,16.2 C143.1@21.5,15.4
+VDDPU: C130.1 C131.1 C132.1 C133.1 C134.1 C135.1 U1.H17 U1.J17 U1.K17 U1.L17 U1.M17 U1.N17 U1.P17 | length 4.5
  L12 w0.25: 22.3,26.3 22.3,26.1 22.4,26 22.4,25.7 C131.1@22.9,25.2
  L12 w0.3: 22.15,27.05 22.2,27 ; C135.1@22.85,27.5 22.95,27.5 C135.1@23,27.55 ; C131.1@22.9,25.1 22.8,25.2 C131.1@22.9,25.2
  L12 w0.4: 22.3,26.3 22.3,26.9 C132.1@21.7,27.5 22.85,27.5 C135.1@22.9,27.55
  other v1: 22.9,23.6 24.5,23.6 26.1,23.6
+VDDUSB: C80.1 C81.1 U1.F9 | length 2.8
  L1 w0.4: v1(20.5,16.4) U1.F9@20.9,16.8
  L12 w0.4: C80.1@16.6,15.35 17.05,15.35 v1(17.3,15.6) ; C81.1@19.5,15.4 v1(20.5,16.4)
+VIN: C2.1 C208.1 C209.1 C210.1 C220.1 C227.1 C228.1 C229.1 C239.1 C240.1 C241.1 J1.1 J1.2 J1.3 J1.4 J1.5 Q3.8 Q4.8 Q6.8 Q7.8 R117.1 R141.1 U11.6 U12.2 U12.3 U13.6 | length 21.9
  L12 w0.2: U11.6@7.7,19.25 C208.1@9.7,19.25 ; R141.1@56.8,19.6 R141.1@56.9,19.7 ; 61.65,20.75 U13.6@62.3,20.75
  L12 w0.28: J1.5@34.25,32.33 34.25,33.52 v1(34.55,33.82) 34.75,33.62 J1.3@34.75,32.33 ; v1(34.75,36.633) J1.4@34.75,38.07 ; J1.1@35.25,32.33 35.25,34.13 v1(35.275,34.155) ; J1.2@35.25,38.07 35.25,36.932 v1(35.55,36.633)
  L12 w0.3: 61.45,20.75 61.65,20.75
  L12 w0.4: C208.1@9.75,19.2 9.75,19.55 10.5,20.3 11.7,20.3 12.1,20.7 R117.1@12.1,21.2 ; C227.1@60.25,21.6 61.1,20.75 61.45,20.75
  L12 w0.5: R141.1@56.9,19.6 56.9,19.7 56.9,20 57.475,20.575 59.125,20.575 C227.1@60.2,21.65 ; v1(59.8,22.8) 60.25,22.35 C227.1@60.25,21.7
  other v1: 6.8,2.7 6,3.5 6.8,3.5 62.2,3.7 61.6,4.2 62.2,4.7 12.9,8.2 12.9,9 12.4,9.6 8.9,18.7 61.6,35.9 62.2,36.4 36.35,36.633 5.8,36.9 6.6,36.9 7.4,36.9 61.6,36.9
+VREF1_2V_1V5: C238.1 R135.2 U13.1 | length 3.6
  L12 w0.2: 61,17 61,17.3 ; 61.675,17.975 61.95,18.25 U13.1@62.3,18.25
  L12 w0.3: 61.4,17.7 61.675,17.975
  L12 w0.4: C238.1@60.7,17.3 61,17 61.2,16.8 R135.2@61.2,15.9 ; 61,17.3 61.4,17.7
+VREF1_2V_1V375: C219.1 R120.1 U11.1 | length 4.6
  L12 w0.2: U11.1@7.7,21.75 8.45,21.75 9.1,22.4
  L12 w0.3: 9.1,22.4 9.225,22.525
  L12 w0.4: R120.1@8.3,24.6 8.6,24.6 9.4,23.8 C219.1@9.4,23.5 9.4,22.7 9.225,22.525
+VREF1_3V3_1V5: C237.1 R134.2 U13.5 | length 9.4
  L5 (PWR) w0.6: v1(60.6,15.7) 59.9,16.4 59.9,18.6 v1(61.5,20.2)
  L12 w0.2: C237.1@60.7,20.1 60.85,20.25 v1@61.5,20.25 ; v1(61.5,20.2) 61.55,20.25 U13.5@62.3,20.25
  L12 w0.4: v1(60.6,15.7) 60.6,15.2 R134.2@61.2,14.6 ; C237.1@60.7,20 60.9,20.2 v1(61.5,20.2)
+VREF1_3V3_1V375: C218.1 R119.2 U11.5 | length 10.3
  L10 w0.5: v1(8.4,25.3) 7.4,24.3 7.4,20.9 8.4,19.9 v1(8.8,19.9)
  L12 w0.2: U11.5@7.7,19.75 8.65,19.75 v1(8.8,19.9)
  L12 w0.4: R119.2@7.75,26 7.75,25.95 v1(8.4,25.3) ; v1(8.8,19.9) 9.8,20.9 C218.1@9.9,20.9
AUD3_CLK: J2.20 R160.2 | length 4.6
  L1 w0.093: v1(30.75,9.18) 31.22,9.18 31.595,8.805 32.995,8.805 33.212,8.588 R160.2@33.212,8.172
  L12 w0.101: J2.20@30.75,7.67 v1(30.75,9.18)
AUD3_CLK_R: R160.1 U1.T5 | length 10.8
  L1 w0.093: v2(28.5,14) U1.T5@28.9,13.6 ; v2(31.713,8.172) R160.1@32.212,8.172
  L2 w0.1: v3(28.2,13.7) v2(28.5,14) ; v2(31.713,8.172) v3(32.113,8.172)
  L3 w0.08: v3(28.2,13.7) 27.7,13.2 27.7,11.7 28.225,11.175 28.225,10.745 28.8,10.17 29.228,10.17 30.063,9.335 30.063,8.792 30.955,7.9 31.84,7.9 v3(32.113,8.172)
AUD3_RXD: J2.22 U1.N3 | length 11.3
  L1 w0.093: U1.N3@26.5,12 v2(26.9,12.4)
  L2 w0.1: v2(26.9,12.4) v3(26.9,12.8)
  L3 w0.08: v3(26.9,12.8) 26.9,12.13 27.275,11.755 27.275,11.175 26.9,10.8 26.9,10.4 27.425,9.875 27.425,9.192 27.774,8.843 28.552,8.843 28.99,8.405 29.3,8.405 30.188,7.517 v1(30.188,6.242)
  L12 w0.093: v1(30.188,6.242) 30.25,6.305 J2.22@30.25,7.67
AUD3_TXC: J2.16 R72.2 | length 6
  L1 w0.093: v1(31.813,9.18) 31.868,9.125 33.43,9.125 33.875,8.68 33.875,7.243 33.618,6.985 R72.2@33.213,6.985
  L12 w0.101: J2.16@31.75,7.67 31.75,9.117 v1(31.813,9.18)
AUD3_TXC_R: R72.1 U1.N1 | length 8.3
  L1 w0.093: U1.N1@26.5,10.4 26.9,10 v2(27.6,10) ; v2(31.713,6.985) R72.1@32.213,6.985
  L2 w0.1: v2(27.6,10) v3(27.9,10.3) ; v2(31.713,6.985) v3(32.113,6.985)
  L3 w0.08: v3(27.9,10.3) 27.9,10.06 29.155,8.805 29.566,8.805 31.386,6.985 v3(32.113,6.985)
AUD3_TXD: J2.18 U1.P2 | length 9
  L1 w0.093: v2(26.913,10.8) U1.P2@27.313,11.2
  L2 w0.1: v2(26.913,10.8) v3(27.213,10.5)
  L3 w0.08: v3(27.213,10.5) 27.625,10.088 27.625,9.275 27.857,9.043 28.635,9.043 29.072,8.605 29.433,8.605 30.45,7.588 30.45,7.227 31.25,6.427 v1(31.25,6.242)
  L12 w0.093: v1(31.25,6.242) J2.18@31.25,7.67
AUD3_TXFS: J2.24 U1.N4 | length 8.6
  L1 w0.093: U1.N4@26.5,12.8 26.9,13.2 v2(27.7,13.2)
  L2 w0.1: v3(27.3,13.2) v2(27.7,13.2)
  L3 w0.08: v3(27.3,13.2) 27.3,12.013 27.5,11.813 27.5,11.117 28.2,10.417 28.2,10.143 29.163,9.18 v1(29.688,9.18)
  L12 w0.093: v1(29.688,9.18) 29.75,9.118 J2.24@29.75,7.67
BOARD_VARIANT_0: R111.1 R143.2 U1.G24 | length 5.4
  L1 w0.093: U1.G24@21.7,28.8 21.3,29.2 21.3,30.63 21.585,30.915 22.415,30.915 22.8,31.3 R111.1@22.8,31.7 R143.2@22.8,32.9
BOARD_VARIANT_1: R137.1 R144.2 U1.H25 | length 7.4
  L1 w0.093: U1.H25@22.5,29.6 23.75,30.85 23.75,32.75 23.9,32.9 R137.1@24.3,32.9 24.3,33.5 24.7,33.9 25.2,33.9 25.5,34.2 25.5,34.5 25.7,34.7 R144.2@26.1,34.7
BOOT_MODE: J1.50 Q9.1 R165.1 | length 57.8
  L10 w0.08: v6(13.25,2.4) 13.05,2.2 11.202,2.2 10.902,2.5 9.2,2.5 8.583,3.117 8.583,3.917 8.4,4.1 8.4,6.3 8,6.7 8,10 7.5,10.5 7.5,12.203 7.1,12.603 7.1,14.6 7.3,14.8 7.3,16.8 7.6,17.1 7.6,19.5 6.6,20.5 6.6,23.8 6.75,23.95 6.75,24.616 8.4,26.266 8.896,26.266 12.63,30 15.4,30 17.075,31.675 17.075,33.475 17.175,33.575 17.175,34.679 21.821,39.325 23.308,39.325 v6(23.55,39.083)
  L11 w0.1: v6(13.25,2.4) v5(13.65,2.4) ; v5(23.25,39.383) v6(23.55,39.083)
  L12 w0.093: v5(13.65,2.4) Q9.1@13.65,2.95 13.65,3.45 14,3.8 14.5,3.8 14.8,4.1 R165.1@14.8,4.7 ; J1.50@23.25,38.07 v5(23.25,39.383)